# KiCad board FlightComputer.kicad_pcb (continued)
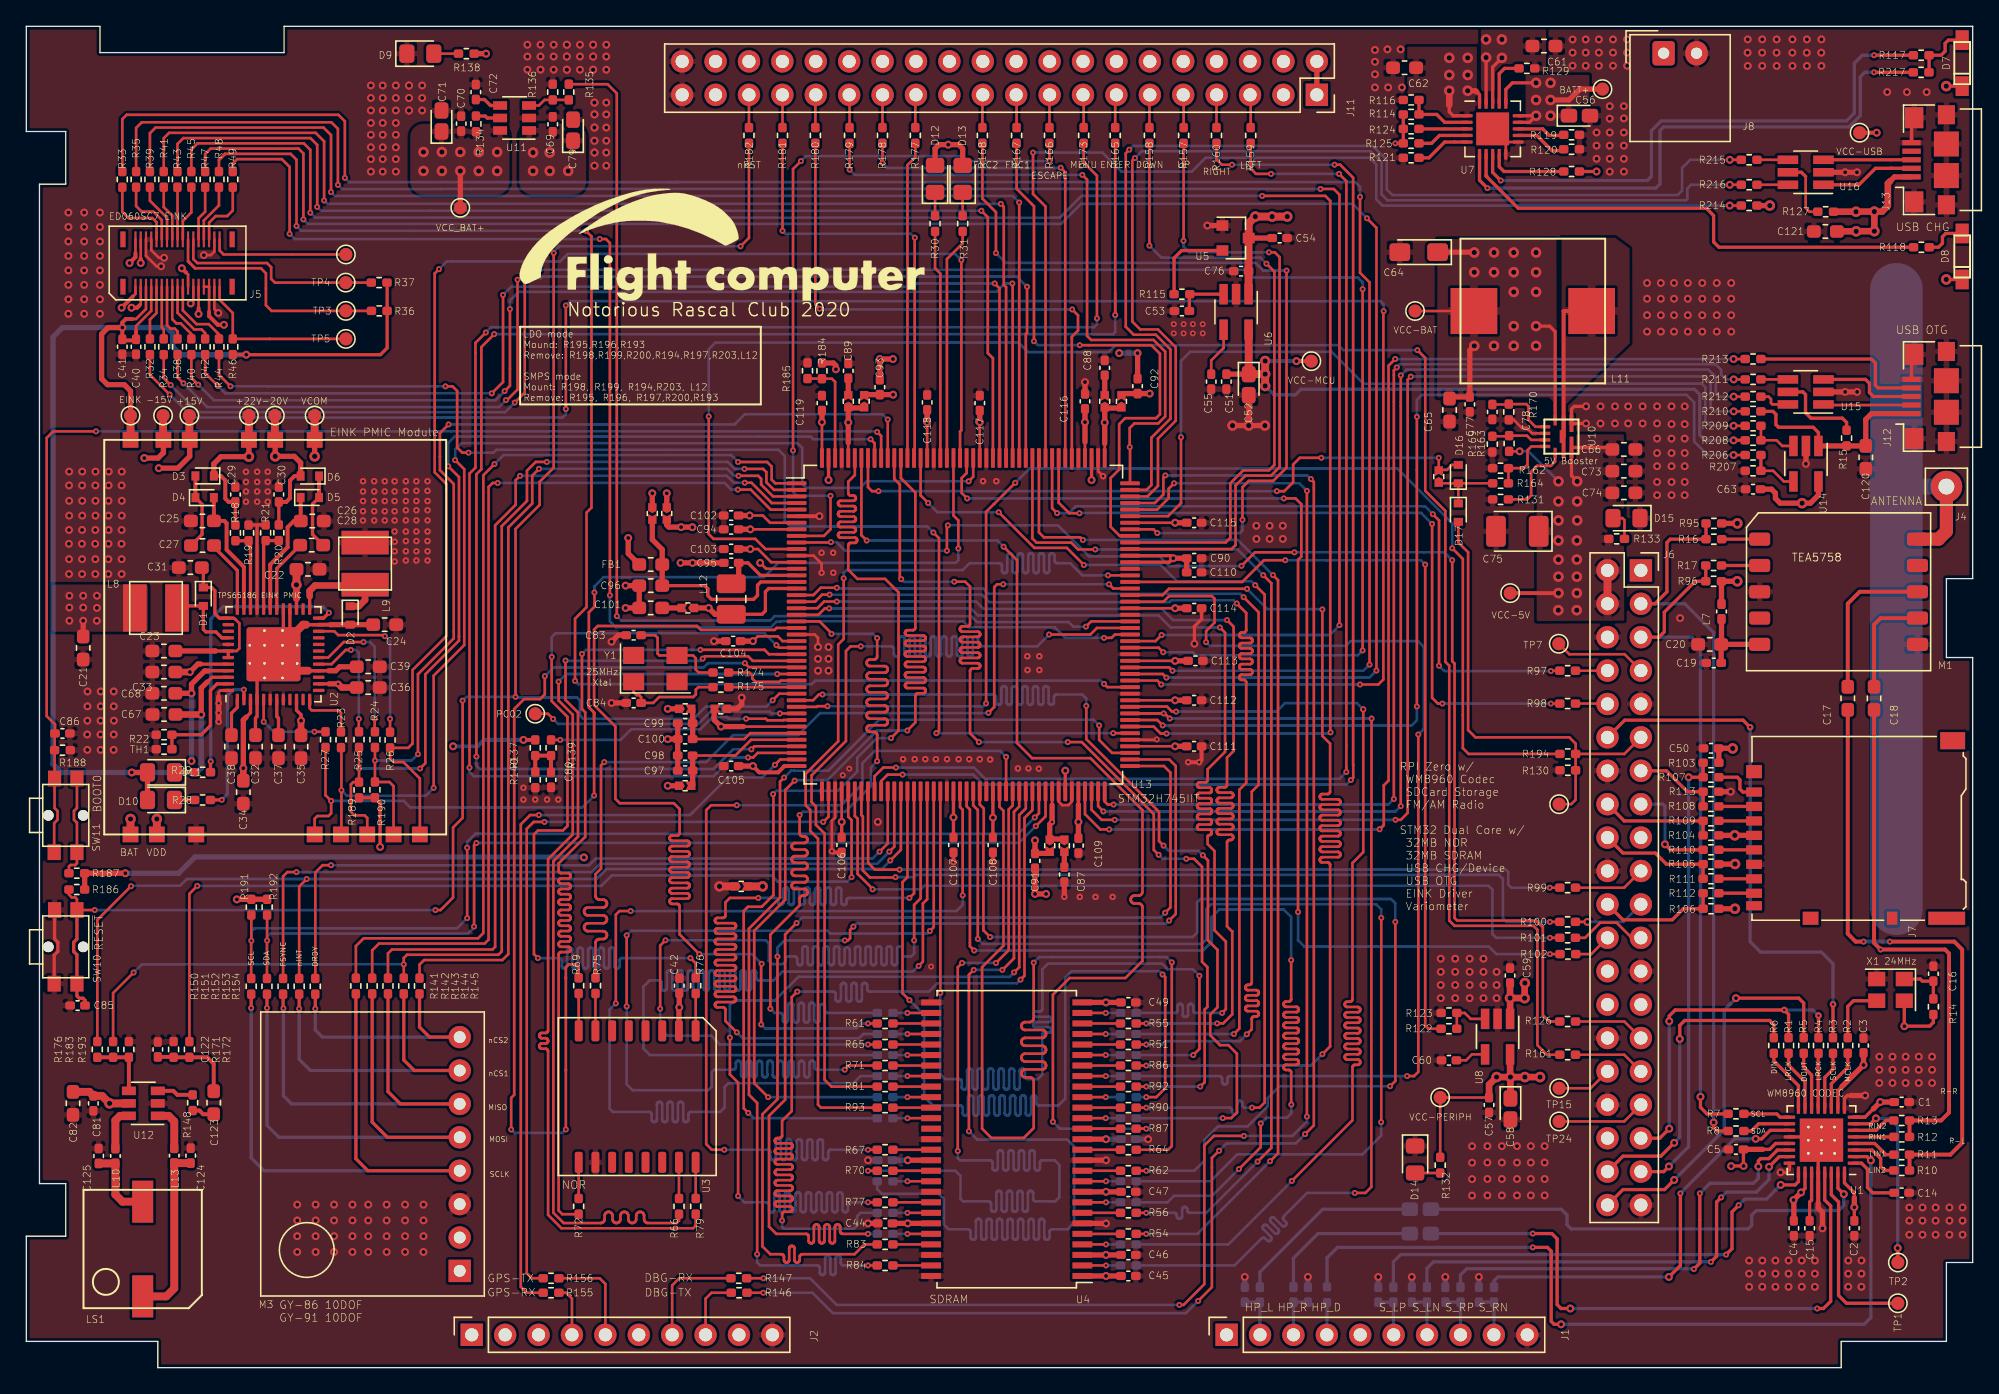
[diagram p0: board, top side]
## Nets (continued)
/MCU/FMC_D3: R56.1 U13.144
/MCU/FMC_D4: R58.1 U13.67
/MCU/FMC_D5: R60.1 U13.68
/MCU/FMC_D6: R62.1 U13.69
/MCU/FMC_D7: R64.1 U13.72
/MCU/FMC_D8: R67.1 U13.73
/MCU/FMC_D9: R70.1 U13.74
/MCU/FMC_D10: R73.1 U13.75
/MCU/FMC_D11: R77.1 U13.76
/MCU/FMC_D12: R80.1 U13.77
/MCU/FMC_D13: R82.1 U13.89
/MCU/FMC_D14: R83.1 U13.90
/MCU/FMC_D15: R84.1 U13.91
/MCU/FMC_nBL0: R87.2 U13.170
/MCU/FMC_nBL1: R88.2 U13.171
/MCU/FMC_nCAS: R90.2 U13.161
/MCU/FMC_nE1: R92.2 U13.165
/MCU/FMC_nRAS: R91.2 U13.58
/MCU/FMC_nWE: R89.2 U13.34
/MCU/MCU_POWER/SMPS_OUT: C91.2 C92.2 C93.2 JP2.1 JP6.1 JP7.1 JP8.1 JP11.2 L12.1 U13.17
/MCU/MCU_POWER/VCAP: JP3.2 JP4.2 JP5.2 JP6.2 JP7.2 JP8.2 U13.80 U13.133 U13.172
/MCU/MCU_POWER/VLXSMPS: C95.1 L12.2 U13.15
/MCU/MCU_POWER/VREF+: C99.1 C100.1 JP10.1 U13.39
/MCU/PWR_5V_EN: D16.1 D17.1 JP14.2 R164.1
/MCU/PWR_BAT+_EN: R135.1 U13.111
/MCU/PWR_LED1: R30.1 U13.158
/MCU/PWR_LED2: R31.1 U13.157
/MCU/PWR_PERIPH_EN: R122.2 U13.117
/MCU/RPI_STATUS: D17.2 J6.11 R130.1 R194.2 TP14.1
/MCU/RPI_STATUS_: R194.1 U13.35
/MCU/USB_FS_DN: R216.1 U13.130
/MCU/USB_FS_DP: R215.1 U13.131
/MCU/USB_FS_VBUS: R214.1 U13.142
/MCU/USB_HS_DN: R212.1 U13.87
/MCU/USB_HS_DP: R211.1 U13.88
/MCU/USB_HS_ID: R213.1 U13.85
/MCU/USB_HS_OVCR: R209.1 U13.127
/MCU/USB_HS_PWR_EN: R206.1 U13.96
/MCU/USB_HS_VBUS: R210.1 U13.86
/Memory/NOR_CLK: R79.1 U13.30
/Memory/NOR_DQ0: R66.2 U13.28
/Memory/NOR_DQ1: R69.2 U13.29
/Memory/NOR_DQ2: R72.2 U13.27
/Memory/NOR_DQ3: R76.2 U13.26
/Memory/NOR_nCS: R75.1 U13.116
/Power/SW: L11.2 U10.2
/Raspberry/SDIO_CLK: J6.15 R110.2
/Raspberry/SDIO_CMD: J6.16 R104.2 R109.2
/Raspberry/SDIO_DAT0: J6.18 R105.2 R111.2
/Raspberry/SDIO_DAT1: J6.22 R106.2 R112.2
/Raspberry/SDIO_DAT2: J6.37 R103.2 R107.2
/Raspberry/SDIO_DAT3: J6.13 R108.2 R113.1
/Vario/DEBUG_RX: R147.2 U13.128
/Vario/DEBUG_TX: R146.2 U13.129
/Vario/GPS_RX: R155.2 U13.43
/Vario/GPS_TX: R156.2 U13.46
/VARIO_RX: R97.1 U13.141
/VARIO_TX: R98.1 U13.140
G_KEY_DOWN: J11.11 R158.1
G_KEY_ENTER: J11.13 R165.1
G_KEY_ESCAPE: J11.17 R166.1
G_KEY_FUNC1: J11.19 R167.1
G_KEY_FUNC2: J11.21 R168.1
G_KEY_LEFT: J11.5 R159.1
G_KEY_MENU: J11.15 R173.1
G_KEY_RIGHT: J11.7 R160.1
G_KEY_UP: J11.9 R157.1
VARIO_BEEP: R172.2 U13.49
Net-(C6-Pad1): C6.1 J1.2 L1.2
Net-(C7-Pad1): C7.1 J1.3 L2.2
Net-(C8-Pad1): C8.1 U1.31
Net-(C8-Pad2): C8.2 L1.1
Net-(C9-Pad1): C9.1 U1.29
Net-(C9-Pad2): C9.2 L2.1
Net-(C10-Pad1): C10.1 J1.6 L3.2
Net-(C11-Pad1): C11.1 J1.7 L4.2
Net-(C12-Pad1): C12.1 J1.8 L5.2
Net-(C13-Pad1): C13.1 J1.9 L6.2
Net-(C14-Pad1): C14.1 U1.1
Net-(C15-Pad2): C15.2 U1.27
Net-(C16-Pad2): C16.2 R14.1 X1.1
Net-(C17-Pad1): C17.1 M1.8
Net-(C18-Pad1): C18.1 M1.7
Net-(C19-Pad1): C19.1 C20.1 L7.2 M1.5
Net-(C23-Pad1): C23.1 C31.1 D1.1 U2.37 U2.42 U2.43
Net-(C25-Pad1): C25.1 D4.2 U2.35
Net-(C26-Pad2): C26.2 D5.1 U2.31
Net-(C27-Pad1): C27.1 U2.36
Net-(C27-Pad2): C27.2 D3.2 D4.1
Net-(C28-Pad1): C28.1 D5.2 D6.1
Net-(C28-Pad2): C28.2 U2.30
Net-(C37-Pad2): C37.2 U2.7
Net-(C38-Pad2): C38.2 U2.1
Net-(C53-Pad1): C53.1 R115.1 U6.3
Net-(C55-Pad1): C55.1 U6.4
Net-(C60-Pad1): C60.1 U8.4
Net-(C72-Pad1): C72.1 U11.4
Net-(C78-Pad1): C78.1 R170.2 U10.4
Net-(C80-Pad1): C80.1 R137.2 R139.2 R140.2
Net-(C83-Pad1): C83.1 R174.1 Y1.3
Net-(C84-Pad1): C84.1 R175.1 Y1.1
Net-(C87-Pad1): C87.1 JP3.1
Net-(C88-Pad1): C88.1 JP4.1
Net-(C89-Pad1): C89.1 JP5.1
Net-(C101-Pad1): C101.1 JP11.1
Net-(C120-Pad1): C120.1 J12.1 R15.1 R210.2 U14.1
Net-(C122-Pad1): C122.1 C123.2 R171.1 R172.1
Net-(C123-Pad1): C123.1 R148.1
Net-(C124-Pad1): C124.1 L13.2 LS1.2
Net-(C125-Pad1): C125.1 L10.2 LS1.1
Net-(D1-Pad2): D1.2 L8.2 U2.40
Net-(D2-Pad1): D2.1 L9.1 U2.25
Net-(D7-Pad1): D7.1 R117.1 R217.1
Net-(D8-Pad1): D8.1 R118.1
Net-(D9-Pad2): D9.2 R138.2
Net-(D10-Pad1): D10.1 R28.2
Net-(D11-Pad1): D11.1 R29.2
Net-(D12-Pad1): D12.1 R30.2
Net-(D13-Pad1): D13.1 R31.2
Net-(D14-Pad2): D14.2 R132.2
Net-(D15-Pad2): D15.2 R133.2
Net-(J2-Pad4): J2.4 R155.1
Net-(J2-Pad5): J2.5 R156.1
Net-(J2-Pad7): J2.7 R147.1
Net-(J2-Pad8): J2.8 R146.1
Net-(J4-Pad1): J4.1 M1.10
Net-(J5-Pad9): J5.9 R32.2
Net-(J5-Pad10): J5.10 R33.1
Net-(J5-Pad11): J5.11 R34.2
Net-(J5-Pad12): J5.12 R35.1
Net-(J5-Pad13): J5.13 R38.2
Net-(J5-Pad14): J5.14 R39.1
Net-(J5-Pad15): J5.15 R40.2
Net-(J5-Pad16): J5.16 R41.1
Net-(J5-Pad17): J5.17 R42.2
Net-(J5-Pad18): J5.18 R43.1
Net-(J5-Pad19): J5.19 R44.2
Net-(J5-Pad20): J5.20 R45.1
Net-(J5-Pad22): J5.22 R36.2 TP3.1
Net-(J5-Pad24): J5.24 R37.2 TP4.1
Net-(J5-Pad26): J5.26 R47.1
Net-(J5-Pad28): J5.28 R48.1
Net-(J5-Pad30): J5.30 R49.1
Net-(J5-Pad33): J5.33 R46.2 TP5.1
Net-(J5-Pad34): J5.34 TP6.1
Net-(J6-Pad7): J6.7 TP7.1
Net-(J6-Pad8): J6.8 R97.2
Net-(J6-Pad10): J6.10 R98.2
Net-(J6-Pad19): J6.19 R99.1
Net-(J6-Pad21): J6.21 R100.1
Net-(J6-Pad23): J6.23 R101.1
Net-(J6-Pad24): J6.24 R102.2
Net-(J6-Pad29): J6.29 R126.1
Net-(J6-Pad31): J6.31 R161.1
Net-(J6-Pad32): J6.32 TP15.1
Net-(J6-Pad33): J6.33 TP24.1
Net-(J7-Pad1): J7.1 R107.1
Net-(J7-Pad2): J7.2 R108.1
Net-(J7-Pad3): J7.3 R109.1
Net-(J7-Pad5): J7.5 R110.1
Net-(J7-Pad7): J7.7 R111.1
Net-(J7-Pad8): J7.8 R112.1
Net-(J11-Pad25): J11.25 R177.2
Net-(J11-Pad27): J11.27 R178.2
Net-(J11-Pad29): J11.29 R179.2
Net-(J11-Pad31): J11.31 R180.2
Net-(J11-Pad33): J11.33 R181.2
Net-(J11-Pad35): J11.35 R182.2
Net-(J12-Pad2): J12.2 U15.1
Net-(J12-Pad3): J12.3 U15.3
Net-(J12-Pad4): J12.4 R213.2
Net-(J13-Pad2): J13.2 U16.1
Net-(J13-Pad3): J13.3 U16.3
Net-(L3-Pad1): L3.1 U1.25
Net-(L4-Pad1): L4.1 U1.23
Net-(L5-Pad1): L5.1 U1.22
Net-(L6-Pad1): L6.1 U1.19
Net-(L10-Pad1): L10.1 U12.6
Net-(L13-Pad1): L13.1 U12.1
Net-(M1-Pad1): M1.1 R16.1
Net-(M1-Pad2): M1.2 R17.1
Net-(M3-Pad4): M3.4 R141.1 R150.1
Net-(M3-Pad5): M3.5 R142.1 R151.1
Net-(M3-Pad6): M3.6 R143.1 R152.1
Net-(M3-Pad7): M3.7 R144.1 R153.1
Net-(M3-Pad8): M3.8 R145.1 R154.1
Net-(R1-Pad1): R1.1 U1.15
Net-(R2-Pad1): R2.1 U1.11
Net-(R3-Pad1): R3.1 U1.12
Net-(R4-Pad1): R4.1 U1.13
Net-(R5-Pad1): R5.1 U1.14
Net-(R6-Pad1): R6.1 U1.16
Net-(R7-Pad1): R7.1 U1.17
Net-(R8-Pad1): R8.1 U1.18
Net-(R9-Pad1): R9.1 U1.2
Net-(R10-Pad1): R10.1 U1.3
Net-(R11-Pad1): R11.1 U1.4
Net-(R12-Pad1): R12.1 U1.5
Net-(R13-Pad1): R13.1 U1.6
Net-(R15-Pad2): R15.2 U15.5
Net-(R18-Pad2): R18.2 R19.2 U2.34
Net-(R20-Pad1): R20.1 R21.1 U2.32
Net-(R22-Pad2): R22.2 TH1.1 U2.47
Net-(R23-Pad2): R23.2 U2.12
Net-(R24-Pad2): R24.2 U2.18
Net-(R25-Pad2): R25.2 U2.17
Net-(R26-Pad2): R26.2 U2.22
Net-(R27-Pad2): R27.2 U2.5
Net-(R28-Pad1): R28.1 U2.2
Net-(R29-Pad1): R29.1 U2.24
Net-(R50-Pad2): R50.2 U4.2
Net-(R51-Pad1): R51.1 U4.23
Net-(R52-Pad2): R52.2 U4.4
Net-(R53-Pad1): R53.1 U4.24
Net-(R54-Pad2): R54.2 U4.5
Net-(R55-Pad1): R55.1 U4.25
Net-(R56-Pad2): R56.2 U4.7
Net-(R57-Pad1): R57.1 U4.26
Net-(R58-Pad2): R58.2 U4.8
Net-(R59-Pad1): R59.1 U4.29
Net-(R60-Pad2): R60.2 U4.10
Net-(R61-Pad1): R61.1 U4.30
Net-(R62-Pad2): R62.2 U4.11
Net-(R63-Pad1): R63.1 U4.31
Net-(R64-Pad2): R64.2 U4.13
Net-(R65-Pad1): R65.1 U4.32
Net-(R66-Pad1): R66.1 U3.15
Net-(R67-Pad2): R67.2 U4.42
Net-(R68-Pad1): R68.1 U4.33
Net-(R69-Pad1): R69.1 U3.8
Net-(R70-Pad2): R70.2 U4.44
Net-(R71-Pad1): R71.1 U4.34
Net-(R72-Pad1): R72.1 U3.9
Net-(R73-Pad2): R73.2 U4.45
Net-(R74-Pad1): R74.1 U4.22
Net-(R75-Pad2): R75.2 U3.7
Net-(R76-Pad1): R76.1 U3.1
Net-(R77-Pad2): R77.2 U4.47
Net-(R78-Pad1): R78.1 U4.35
Net-(R79-Pad2): R79.2 U3.16
Net-(R80-Pad2): R80.2 U4.48
Net-(R81-Pad1): R81.1 U4.36
Net-(R82-Pad2): R82.2 U4.50
Net-(R83-Pad2): R83.2 U4.51
Net-(R84-Pad2): R84.2 U4.53
Net-(R85-Pad1): R85.1 U4.20
Net-(R86-Pad1): R86.1 U4.21
Net-(R87-Pad1): R87.1 U4.15
Net-(R88-Pad1): R88.1 U4.39
Net-(R89-Pad1): R89.1 U4.16
Net-(R90-Pad1): R90.1 U4.17
Net-(R91-Pad1): R91.1 U4.18
Net-(R92-Pad1): R92.1 U4.19
Net-(R93-Pad1): R93.1 U4.38
Net-(R94-Pad1): R94.1 U4.37
Net-(R114-Pad2): R114.2 R116.1 U7.2
Net-(R115-Pad2): R115.2 U5.2
Net-(R117-Pad2): R117.2 U7.8
Net-(R118-Pad2): R118.2 U7.7
Net-(R119-Pad2): R119.2 U7.13
Net-(R120-Pad2): R120.2 U7.12
Net-(R121-Pad2): R121.2 U7.5
Net-(R122-Pad1): R122.1 R123.2 U8.3
Net-(R124-Pad1): R124.1 U7.3
Net-(R125-Pad1): R125.1 U7.4
Net-(R127-Pad2): R127.2 U16.5
Net-(R128-Pad1): R128.1 U7.9
Net-(R129-Pad1): R129.1 U7.17
Net-(R131-Pad2): R131.2 U10.8
Net-(R134-Pad1): R134.1 U11.5
Net-(R135-Pad2): R135.2 R136.2 U11.3
Net-(R148-Pad2): R148.2 U12.3
Net-(R162-Pad1): R162.1 R164.2 U10.7
Net-(R163-Pad2): R163.2 R169.2 U10.6
Net-(R174-Pad2): R174.2 U13.31
Net-(R175-Pad2): R175.2 U13.32
Net-(R176-Pad1): R176.1 R183.1 R193.1 U12.4
Net-(R184-Pad2): R184.2 R185.2 U13.174
Net-(R187-Pad1): R187.1 SW11.1
Net-(R206-Pad2): R206.2 R207.1 U14.4
Net-(R208-Pad1): R208.1 R209.2 U14.3
Net-(R211-Pad2): R211.2 U15.4
Net-(R212-Pad2): R212.2 U15.6
Net-(R215-Pad2): R215.2 U16.4
Net-(R216-Pad2): R216.2 U16.6
Net-(R217-Pad2): R217.2 U7.6
Net-(TP1-Pad1): TP1.1 U1.30
Net-(TP2-Pad1): TP2.1 U1.7
Net-(TP13-Pad1): TP13.1 U13.36

Pads without a net: J1 5; J2 3 6 9; J5 35 36 37 38; J6 17 26 27 28 36; J7 9 10 11; J11 3 4 6 8 10 12 14 16 18 20 22 23 24 26 28 30 32 34 36 37 38; J13 4; M1 4 9; M3 2; SW10 6 7; SW11 6 7; U2 9 11 13 15 19 20 21 26 38 39; U3 3 4 5 6 11 12 13 14; U4 40; Y1 2 4

## Via types
v1: diameter 0.45, hole 0.2, Top to Bottom, 461 vias
v2: diameter 0.6, hole 0.3, Top to Bottom, 588 vias
v3: diameter 0.5, hole 0.2, Top to Bottom, 107 vias
v4: diameter 0.8, hole 0.4, Top to Bottom, 102 vias

## Routing (per net, layer and track width the routed paths; a pad name or vN(x,y) marks a point on that pad's centre or on a via; arc(x,y) is an arc through that point)
+15V: length 15.2
  Top w0.2: J5.2 8.3,84.78 ; 8.7,84.2 J5.4
  Top w0.25: v2(12.44,52.9) 13.04,53.5 U2.44
  Top w0.3: 8.3,84.78 8.3,84.45 v2(7.85,84) ; 8.7,84.2 8.7,84.31 v2(8.7,84)
  Top w0.4: 13.26,53.51 13.05,53.51 v2(12.44,52.9) ; U9.11 12.43,69.3 11.53,68.4 v2(10.07,68.4) ; 12.43,72.38 TP10.1
  Top w0.5: C33.1 v2(12.44,52.9)
  Top w0.6: U9.11 12.4,70.58 TP10.1
+22V: length 14
  Top w0.2: 13.1,80.58 J5.25
  Top w0.25: R18.1 C29.2
  Top w0.3: v2(13.1,80.12) 13.1,80.58 ; D3.1 14.8,67.81 15.13,67.48 15.13,66.09 15.39,65.83 C29.2
  Top w0.4: U9.12 v4(16.93,69.28) 14.8,69.28 14.26,68.73 D3.1
  Top w0.6: TP8.1 U9.12
-15V: length 15.1
  Top w0.2: J5.1 8.3,81.65 8.11,81.46 ; J5.3 8.7,80.88 8.62,80.8
  Top w0.25: 16.71,49.46 17.05,49.8 U2.3
  Top w0.3: v2(7.25,80.6) 8.11,81.46 ; v2(8,80.6) 8.42,80.6 8.62,80.8
  Top w0.4: 16.71,49.46 16.5,49.25 v2(16.5,45.59) ; v2(8.97,69.17) 10.02,69.17 10.43,69.58 U9.10 ; 10.43,72.38 TP11.1
  Top w0.5: C34.2 v2(16.5,45.59)
  Top w0.6: TP11.1 10.4,70.58 U9.10
-20V: length 15.3
  Top w0.2: 13.9,80.28 J5.29 J5.27
  Top w0.25: R20.2 C30.1
  Top w0.3: C30.1 19.76,65.83 20.05,66.12 20.05,67.46 20.39,67.8 D6.2 ; 13.9,80.28 13.9,79.96 14.56,79.3 v2(15.03,79.3)
  Top w0.4: D6.2 20.86,68.81 20.38,69.3 v4(18.93,69.3) U9.13
  Top w0.6: U9.13 18.9,70.58 TP9.1
/MCU/MCU_POWER/VDDA: length 10.8
  Top w0.2: C98.1 53.92,46.55 55.12,47.75 U13.40
  Top w0.4: 50.7,45.37 C97.1 ; C97.1 C98.1 ; C97.1 50.67,44.31 JP9.1
/MCU/MCU_POWER/VDDLDO: length 7
  Top w0.25: U13.135 v2(81,67.5) ; U13.175 v2(61,67.5) ; U13.82 v2(79,45.4)
  Top w0.4: v2(47.6,66.49) JP1.2 ; JP2.2 v2(48.7,66.49)
/MCU/MCU_POWER/VDDSMPS: length 17.2
  Top w0.25: C96.1 51.57,59.47 51.58,59.48 51.83,59.23 51.83,58.7 52.1,58.42 55.3,58.42 55.6,58.73 55.6,59.5 55.85,59.75 U13.16
  Top w0.4: JP1.1 47.6,62.97 48.35,62.22 FB1.2 C96.1
/MCU/MCU_POWER/VSSA: length 11.7
  Top w0.2: U13.38 54.52,48.75
  Top w0.4: JP12.1 52.3,49.27 v2(52.82,48.75) 54.52,48.75 ; C99.2 C100.2 ; C100.2 C98.2 C97.2 ; C100.2 v2(48.77,47.8)
GND: length 111.9
  Top w0.2: J5.32 14.3,84.88 14.03,84.6 v2(13.5,84.6) ; U7.11 112.5,93.2 ; 112.5,93.2 U7.21 ; 112.5,93.2 U7.10 ; U13.47 61.5,41.83 61.25,41.58 v3(61.25,39.27) ; v3(81.88,67.79) 81.5,68.17 U13.134 ; J5.6 9.1,84.55 9.9,83.75 v2(10.25,83.75) ; v2(14.6,80.2) 14.3,80.5 J5.31 ; v1(85.96,47.77) 85.94,47.75 U13.93 ; v2(60.2,54.8) 60.2,55.5 59.95,55.75 U13.24 ; v3(60.47,60.45) 60.47,61.14 59.86,61.75 U13.12 ; U2.48 14.77,51.5 14.62,51.35 14.62,51.02 ; J5.8 9.5,84.98 10.08,84.4 v2(10.47,84.4) ; U10.5 114.5,71.05 114.09,71.46 113.72,71.46 113.1,72.08 R170.1 ; 112.67,72.11 112.7,72.08 ; U13.81 78.5,43.04 78.77,42.77 79.23,42.77 79.5,43.04 U13.83
  Top w0.25: R21.2 17.59,64.09 ; 17.59,64.09 16.91,64.09 R19.1 ; 17.59,64.09 17.55,64.04 U2.33 ; SW10.2 2.12,31.37 2.4,31.65 2.4,32.35 2.15,32.6 SW10.2 ; U1.28 136.25,17.05 U1.33 136.25,17.55 U1.20 ; 138.72,20.7 138.47,20.7 138.25,20.48 U1.9 ; 136.25,12.55 136.25,12.15 ; C114.2 89.37,56.92 88.82,56.37 v2(88.82,55.05) ; J13.5 143.35,94.85 J13.6 ; U1.24 134.06,15.06 133.85,14.85 v2(133.39,14.85) ; J12.5 143.35,76.85 J12.6 ; U15.2 138,74.2 ; v2(118.6,73.1) 117.7,73.1 117.5,72.89 117.5,71.8 v2(118.6,71.8) ; C108.2 v3(73.5,38.44) ; C107.2 v3(70.5,38.44)
  Top w0.3: U13.6 v2(60.31,64.75) ; 61.26,39.27 v3(61.25,39.27) 61.34,39.18 C106.2 ; U1.28 136.25,12.55 ; C111.2 89.37,46.23 v3(89.18,46.04) v3(88.35,46.04)
  Top w0.4: C52.2 v4(92.95,71.64) ; v4(92.95,71.64) v4(94.18,71.64) ; v4(92.95,71.64) v4(91.72,71.64) ; C104.2 v2(52.29,55.25) ; v2(139.82,20.7) 138.72,20.7 ; v2(54.4,50.95) 54.4,50.45 54.05,50.1 JP12.2 ; v3(14.62,49.12) v3(14.62,49.8) v3(14.62,50.52) 14.62,51.02 ; U15.2 v2(138.3,74.2) v2(139.21,74.2) ; C84.2 v2(44.5,50.55) ; C44.1 v2(64,10.97) ; v2(139.2,90.9) v2(138.3,90.9) U16.2 ; 136.25,12.51 136.25,12.15 136.57,11.82 v2(136.57,10.6) ; C83.2 45,55.7 v2(44.5,55.2) ; v3(78.93,35.81) C87.2 ; U14.2 v2(135.32,68.73) ; v2(82.1,10.97) 82.09,10.97 U4.6 ; U5.1 v2(89.8,86.85) ; R113.2 v2(129.6,43.8) ; U4.12 v2(82.1,15.78) ; C116.2 v2(80.5,74.95)
  Top w0.5: 94.13,71.75 94.18,71.7 ; 91.77,71.75 91.72,71.7
  Top w0.6: JP13.2 v4(52.71,36.6)
  Bottom w0.2: v4(94.18,71.64) 94.18,71.84
  Bottom w0.4: C7.2 v2(97.45,6.9) ; C13.2 v2(110.45,6.9) ; C43.1 v2(64,15.78) ; C11.2 v2(105.35,6.9) ; C48.1 v2(85.3,17.38) ; C6.2 v2(92.65,6.9) ; C10.2 v2(102.8,6.9) ; C12.2 v2(107.9,6.9)
  vias: v1(62.08,45.05) v1(62.58,45.55) v1(68.8,30.5) v1(87.25,79.35) v1(87.25,78.65) v1(88,79.35) v1(88,78.65) v1(88.7,79.35) v1(88.7,78.65) v1(89.45,79.35) v1(89.45,78.65) v2(3.2,87.84) v2(3.2,86.74) v2(3.2,85.64) v2(3.2,84.54) v2(3.2,83.44) v2(3.2,82.34) v2(3.2,81.24) v2(3.2,80.14) v2(3.25,67.09) v2(3.25,63.7) v2(3.24,62.65) v2(3.25,61.48) v2(3.25,60.35) v2(3.26,68.14) v2(3.26,65.92) v2(3.26,64.79) v2(4.25,68.14) v2(4.24,67.09) v2(4.25,65.92) v2(4.25,64.79) v2(4.24,63.7) v2(4.23,62.65) v2(4.24,61.48) v2(4.24,60.35) v2(4.4,87.84) v2(4.4,86.74) v2(4.4,85.64) v2(4.4,84.54) v2(4.4,83.44) v2(4.4,82.34) v2(4.4,81.24) v2(4.4,80.14) v2(4.64,49.2) v2(4.63,48.15) v2(4.64,46.98) v2(4.65,51.42) v2(4.65,50.29) v2(5.25,67.09) v2(5.25,63.7) v2(5.24,62.65) v2(5.25,61.48) v2(5.25,60.35) v2(5.26,68.14) v2(5.26,65.92) v2(5.26,64.79) v2(5.6,87.84) v2(5.6,86.74) v2(5.6,85.64) v2(5.6,84.54) v2(5.6,83.44) v2(5.6,82.34) v2(5.6,81.24) v2(5.6,80.14) v2(5.64,48.15) v2(5.66,51.42) v2(5.66,50.29) v2(5.65,49.2) v2(5.65,46.98) v2(6.25,65.92) v2(6.25,64.79) v2(6.25,62.65) v2(6.24,61.48) v2(6.24,60.35) v2(6.27,68.14) v2(6.26,67.09) v2(6.26,63.7) v2(6.64,46.98) v2(6.65,51.42) v2(6.65,50.29) v2(6.66,49.2) v2(6.65,48.15) v2(7.25,67.09) v2(7.25,63.7) v2(7.24,62.65) v2(7.25,61.48) v2(7.25,60.35) v2(7.26,68.14) v2(7.26,65.92) v2(7.26,64.79) v2(20.6,12.4) v2(20.6,11.2) v2(20.6,10) v2(20.6,8.8) v2(22,12.4) v2(22,11.2) v2(22,10) v2(22,8.8) v2(23.4,12.4) v2(23.4,11.2) v2(23.4,10) v2(23.4,8.8) v2(24.8,12.4) v2(24.8,11.2) v2(24.8,10) v2(24.8,8.8) v2(26,12.4) v2(26,11.2) v2(26,10) v2(26,8.8) v2(26.2,97.5) v2(26.2,96.55) v2(26.2,95.6) v2(26.2,94.65) v2(26.2,93.75) v2(26.2,92.8) v2(26.2,91.9) v2(26.2,90.95) v2(27.1,97.5) v2(27.1,96.55) v2(27.1,95.6) v2(27.1,94.65) v2(27.1,93.75) v2(27.1,92.8) v2(27.1,91.9) v2(27.1,90.95) v2(27.4,12.4) v2(27.4,11.2) v2(27.4,10) v2(27.4,8.8) v2(28.1,97.5) v2(28.1,96.55) v2(28.1,95.6) v2(28.1,94.65) v2(28.1,93.75) v2(28.1,92.8) v2(28.1,91.9) v2(28.1,90.95) v2(28.8,12.4) v2(28.8,11.2) v2(28.8,10) v2(28.8,8.8) v2(29.1,97.5) v2(29.1,97.5) v2(29.1,96.55) v2(29.1,96.55) v2(29.1,95.6) v2(29.1,95.6) v2(30.1,97.5) v2(30.1,96.55) v2(30.1,95.6) v2(30.2,12.4) v2(30.2,11.2) v2(30.2,10) v2(30.2,8.8) v2(38.1,100.6) v2(38.1,99.7) v2(38.1,98.7) v2(39.1,100.6) v2(39.1,99.7) v2(39.1,98.7) v2(40.1,100.6) v2(40.1,99.7) v2(40.1,98.7) v2(41.1,100.6) v2(41.1,100.6) v2(41.1,99.7) v2(41.1,99.7) v2(41.1,98.7) v2(41.1,98.7) v2(42.1,100.6) v2(42.1,99.7) v2(42.1,98.7) v2(43.1,100.6) v2(43.1,100.6) v2(43.1,99.7) v2(43.1,99.7) v2(43.1,98.7) v2(43.1,98.7) v2(43.2,96.2) v2(43.2,96.2) v2(43.2,95.3) v2(43.2,95.3) v2(43.2,94.3) v2(43.2,94.3) v2(43.2,93.3) v2(43.2,93.3) v2(43.2,92.4) v2(43.2,92.4) v2(43.2,91.4) v2(43.2,91.4) v2(44.1,100.6) v2(44.1,99.7) v2(44.1,98.7) v2(44.1,96.2) v2(44.1,95.3) v2(44.1,94.3) v2(44.1,93.3) v2(44.1,92.4) v2(44.1,91.4) v2(60.2,53.9) v2(60.2,53) v2(61,54.8) v2(61,53.9) v2(61,53) v2(64.75,41.5) v2(93.53,64.02) v2(93.54,63.02) v2(94.54,64.02) v2(94.54,63.02) v2(95.54,64.02) v2(95.54,63.02) v2(102.55,100.2) v2(102.55,99.3) v2(102.55,98.35) v2(102.55,97.35) v2(103.5,100.25) v2(103.55,97.35) v2(104.5,100.25) v2(104.6,97.35) v2(107.55,31.1) v2(107.55,30.1) v2(107.55,29.1) v2(107.55,28.1) v2(108.65,31.1) v2(108.65,30.1) v2(108.65,29.1) v2(108.65,28.1) v2(109.75,31.1) v2(109.75,30.1) v2(109.75,29.1) v2(109.75,28.1) v2(109.93,16.84) v2(109.93,15.59) v2(109.93,14.34) v2(109.93,13.09) v2(110.8,31.1) v2(110.8,30.1) v2(110.8,29.1) v2(110.8,28.1) v2(111.1,16.85) v2(111.1,15.6) v2(111.1,14.35) v2(111.1,13.1) v2(111.8,30.1) v2(111.8,29.1) v2(111.8,28.1) v2(112.2,16.85) v2(112.2,15.6) v2(112.2,14.35) v2(112.2,13.1) v2(113.35,16.85) v2(113.35,15.6) v2(113.35,14.35) v2(113.35,13.1) v2(114.4,16.85) v2(114.4,15.6) v2(114.4,14.35) v2(114.4,13.1) v2(115.45,16.85) v2(115.45,15.6) v2(115.45,14.35) v2(115.45,13.1) v2(117.58,101) v2(117.58,100) v2(117.58,99) v2(118.58,101) v2(118.58,100) v2(118.58,99) v2(119.4,93.92) v2(119.4,92.92) v2(119.4,91.92) v2(119.58,101) v2(119.58,100) v2(119.58,99) v2(119.7,73.1) v2(119.7,71.8) v2(120.4,95.92) v2(120.4,94.97) v2(120.4,93.92) v2(120.4,92.92) v2(120.4,91.92) v2(120.4,90.95) v2(120.65,101) v2(120.65,100) v2(120.65,99) v2(120.8,73.1) v2(120.8,71.8) v2(121.47,95.92) v2(121.47,95) v2(121.47,93.92) v2(121.47,92.92) v2(121.47,91.92) v2(121.47,90.95) v2(121.72,101) v2(121.72,100) v2(121.72,99) v2(121.8,73.1) v2(121.8,71.8) v2(122.9,73.1) v2(122.9,71.8) v2(123.24,82.48) v2(123.24,81.28) v2(123.24,80.03) v2(123.24,78.78) v2(124,73.1) v2(124,71.8) v2(124,70.65) v2(124,69.55) v2(124,68.55) v2(124,67.35) v2(124,66.35) v2(124.29,82.48) v2(124.29,81.28) v2(124.29,80.03) v2(124.29,78.78) v2(125.1,73.1) v2(125.1,71.75) v2(125.1,70.65) v2(125.1,69.55) v2(125.1,68.55) v2(125.1,67.35) v2(125.1,66.35) v2(125.29,82.48) v2(125.29,81.28) v2(125.29,80.03) v2(125.29,78.78) v2(125.75,57) v2(126.1,73.1) v2(126.1,71.75) v2(126.1,70.65) v2(126.1,69.55) v2(126.1,68.55) v2(126.1,67.35) v2(126.1,66.35) v2(126.34,82.48) v2(126.34,81.28) v2(126.34,80.03) v2(126.34,78.78) v2(127.44,82.48) v2(127.44,81.28) v2(127.44,80.03) v2(127.44,78.78) v2(128.54,82.48) v2(128.54,81.28) v2(128.54,80.03) v2(128.54,78.78) v2(129.64,82.48) v2(129.64,81.28) v2(129.64,80.03) v2(129.64,78.78) v2(130.9,101) v2(130.88,100) v2(130.9,98.98) v2(131,8.15) v2(131,7.15) v2(131,6.15) v2(132,101) v2(131.99,100) v2(132,98.98) v2(132,8.15) v2(132,7.15) v2(132,6.15) v2(133,8.15) v2(133,7.15) v2(133,6.15) v2(133.09,101) v2(133.09,100) v2(133.09,98.98) v2(134,8.15) v2(134,7.15) v2(134,6.15) v2(134.29,101) v2(134.28,100) v2(134.29,98.98) v2(135,8.15) v2(135,7.15) v2(135,6.15) v2(135.4,101) v2(135.38,100) v2(135.4,98.98) v2(136,8.15) v2(136,7.15) v2(136,6.15) v2(136.5,101) v2(136.49,100) v2(136.5,98.98) v2(138.54,8.15) v2(138.54,7.15) v2(138.54,6.15) v2(139.54,8.15) v2(139.54,7.15) v2(139.54,6.15) v2(140.9,23.65) v2(140.9,22.65) v2(140.9,21.65) v2(141.5,97) v2(141.9,23.65) v2(141.9,22.65) v2(141.9,21.65) v2(142.9,23.65) v2(142.9,22.65) v2(142.9,21.65) v2(143,97) v2(143.18,12.18) v2(143.18,11.18) v2(143.18,10.11) v2(143.9,23.65) v2(143.9,22.65) v2(143.9,21.65) v2(144.18,12.18) v2(144.18,11.18) v2(144.18,10.11) v2(144.5,97) v2(144.91,23.65) v2(144.91,22.65) v2(144.91,21.65) v2(145.18,12.18) v2(145.18,11.18) v2(145.18,10.11) v2(146.23,12.18) v2(146.23,11.18) v2(146.23,10.11) v2(147.23,12.18) v2(147.23,11.18) v2(147.23,10.11) v3(16.7,68.13) v3(16.7,67.35) v3(16.7,66.62) v3(16.7,65.85) v3(17.55,68.13) v3(17.55,67.35) v3(17.55,66.62) v3(17.55,65.85) v3(18.36,68.13) v3(18.36,67.35) v3(18.36,66.62) v3(18.36,65.85) v3(25.61,67.41) v3(25.61,66.63) v3(25.61,65.9) v3(25.61,65.12) v3(25.6,64.42) v3(26.45,67.41) v3(26.45,66.63) v3(26.45,65.9) v3(26.45,65.12) v3(26.45,64.42) v3(27.25,67.41) v3(27.25,66.63) v3(27.25,65.9) v3(27.25,65.12) v3(27.25,64.42) v3(28,67.41) v3(28,66.63) v3(28,65.9) v3(28,65.12) v3(28,64.42) v3(28,63.59) v3(28,62.81) v3(28,62.08) v3(28,61.3) v3(28.86,67.41) v3(28.86,66.67) v3(28.86,65.9) v3(28.86,65.2) v3(28.86,64.43) v3(28.86,63.59) v3(28.86,62.85) v3(28.86,62.08) v3(28.86,61.38) v3(29.66,67.41) v3(29.66,66.67) v3(29.66,65.9) v3(29.66,65.2) v3(29.66,64.43) v3(29.66,63.59) v3(29.66,62.85) v3(29.66,62.08) v3(29.66,61.38) v3(30.51,67.41) v3(30.51,66.67) v3(30.51,65.9) v3(30.51,65.2) v3(30.51,64.43) v3(30.51,63.59) v3(30.51,62.85) v3(30.51,62.08) v3(30.51,61.38) v3(37.8,44.1) v3(37.8,43.2) v3(38.7,43.2) v3(39.6,43.2) v3(40.45,43.2) v3(60.47,61.97) v3(61.35,61.97) v3(61.36,60.45) v3(66.67,46.27) v3(67.55,46.27) v3(68.36,46.27) v3(69.16,46.27) v3(70.01,46.27) v3(70.89,46.27) v3(71.7,46.27) v3(72.5,46.27) v3(72.75,67.41) v3(73.29,46.25) v3(73.76,67.41) v3(75.4,45.57) v3(76.12,54.1) v3(76.13,53.05) v3(76.2,45.57) v3(77.03,54.1) v3(77.03,53.05) v3(76.99,45.55) v3(80.1,35.8) v3(81.3,35.8) v3(82.6,35.8)
GNDS: length 19.8
  Top w0.2: v2(55.8,61.2) 56.25,60.75 U13.14
  Top w0.4: v2(45.57,57.77) 45.58,57.77 C101.2 C96.2 v2(45.57,59.47) ; v2(49.75,61.2) v2(50.66,61.2) C95.2 ; C91.1 v2(76.7,36.03) v2(77.54,36.03) ; C93.1 v2(64.9,76.7) v2(65.9,76.7) ; C92.1 v2(84.5,77.15)
  Top w0.6: JP13.1 v4(55.99,36.6)
  Bottom w0.4: v2(83.1,77.15) v2(84.5,77.15)
VCC_3V3: length 29.8
  Top w0.25: U1.10 137.75,21.07 138.05,21.37 ; U1.32 138.25,14.05 139,13.3 139,12.92 ; X1.4 v2(142.8,25.97) 144.72,25.97 145.01,26.26 R14.2 ; 139.8,19.05 U1.8 139.81,19.05 140.45,19.7 ; v2(139,12.2) C2.1
  Top w0.4: v2(139,12.2) 139,12.92 ; L7.1 128.9,58.08 R96.1 v4(130.1,59.8) ; v4(129.75,47.09) 129.74,47.1 C50.2 128.7,47.07 R103.1 ; R95.1 v4(130.1,64.2) ; R105.1 129.92,38.29 v4(129.93,38.3) ; 140.45,19.7 140.47,19.7 v2(140.97,20.2) C1.1 ; R106.1 v4(129.92,34.9) ; J7.4 131.37,40.48 v4(129.91,40.48) R104.1 ; 128.88,58 128.9,57.98 ; C3.1 v2(139.7,23.02) 138.05,21.37
  Top w0.6: 131.35,40.5 J7.4
VCC_5V: length 33
  Top w0.2: R163.1 113.54,69.68 v2(113.55,69.68)
  Top w0.25: 132.03,16.6 132.56,16.6 133.01,17.05 U1.21 ; v4(117.92,67.4) 117.5,67.83 117.5,69.97 120.45,69.97 C66.1 ; 135.09,13.46 135.25,13.62 U1.26 ; C5.1 130.57,15.35 v2(130.58,15.34) 129.64,15.34 v2(129.63,15.33) ; 134.4,11.17 C4.1
  Top w0.3: TP21.1 v4(116.5,58.9)
  Top w0.4: C63.1 132.7,66.8 133,66.5 133,66.1 133.36,65.74 v4(135.03,65.74) 135.66,65.74 136.27,66.35 U14.5 ; C5.1 132.03,16.6 ; v2(134.95,13.33) v2(134.38,12.75) 134.4,12.72 C4.1
  Top w0.6: J6.2 J6.4
  Bottom w0.2: v4(116.5,67.4) 114.22,69.68 v2(113.55,69.68)
  vias: v4(116.5,65.88) v4(116.5,64.42) v4(116.5,62.9) v4(116.5,61.45) v4(116.5,60.15) v4(116.49,57.6) v4(117.92,65.88) v4(117.92,64.42) v4(117.9,62.9) v4(117.9,61.45) v4(117.9,60.15) v4(117.9,58.9) v4(117.89,57.6)
VCC_BAT: length 41.6
  Top w0.2: 115.83,79.2 115.84,79.19 ; TP19.1 L11.1
  Top w0.25: U7.1 108.5,95.2 108.2,95.5 108.2,96.03 ; 110.3,97 110.5,96.8 U7.20 ; U10.3 116.25,78.78 115.84,79.19 ; v4(114.8,79.2) 115.83,79.2
  Top w0.3: 110.09,77.69 v4(110.1,77.7) ; 108.35,73.83 C65.1
  Top w0.4: C65.1 108.34,73.82 C77.1 109.76,77.36 v4(110.1,77.7) ; U5.3 C54.1 ; v4(109.6,97.1) 110.2,97.1 110.3,97 ; v4(110.1,84.8) 110.08,84.83 C64.1
  Top w0.5: v4(113.93,28.1) 113.93,29.23 v4(113.95,29.25) ; v4(108.2,97.1) 108.2,96.03 ; 113.92,28.11 v4(112.82,28.11) C59.1 ; U8.1 112.83,28.11
  Top w0.6: v4(95.88,87.53) v4(94.73,87.53) v4(93.45,87.53) 92.95,87.03 U5.3 92.94,85.89 C76.1 92.94,83.38 U6.1 ; 38.26,94.05 U11.1
  vias: v4(38.53,92.4) v4(38.53,91) v4(39.8,92.4) v4(39.8,91) v4(41.2,91) v4(108.2,99.6) v4(108.2,98.3) v4(109.6,99.6) v4(109.6,98.3) v4(110.1,83.3) v4(111.6,84.8) v4(111.6,83.3) v4(111.6,77.7) v4(113.1,84.8) v4(113.1,83.3) v4(113.1,81.8) v4(113.1,79.2) v4(113.1,77.7) v4(114.8,84.8) v4(114.8,83.3) v4(114.8,81.8) v4(114.8,77.7)
VCC_BAT+: length 23
  Top w0.25: U2.10 20.55,49.99 20.89,49.65 v2(20.89,49.2) ; U2.27 20.55,58.48
  Top w0.3: v2(37.8,47.74) 37.8,47.74 R137.1
  Top w0.4: C21.1 v2(4.33,56.8) ; TP22.1 v4(33,91) ; R138.1 v2(34.96,99.92)
  Top w0.5: C35.1 v2(20.89,49.2) ; v4(20.54,59.53) 20.54,58.48 20.55,58.48
  Top w0.6: v4(7.92,41.73) 7.92,40.55 ; U12.5 v4(6.33,20.1) 5.76,20.67 C81.1 4.79,20.97 C82.1 ; C22.2 20.55,59.53 v4(20.54,59.53)
  Bottom w0.3: v2(37.8,47.74) 34.81,47.74 34.32,47.25 v2(32.45,47.25)
  vias: v2(3.27,58.7) v2(3.27,57.8) v2(3.27,56.8) v2(4.33,58.7) v2(4.33,57.8) v2(5.37,58.7) v2(5.37,57.77) v2(5.36,56.8) v4(30.2,92.44) v4(30.2,91) v4(31.6,92.44) v4(31.6,91) v4(33,92.44) v4(34.4,92.44) v4(34.4,91) v4(35.8,92.44) v4(35.8,91)
VCC_EINK: length 113.5
  Top w0.2: J5.7 9.5,80.37 8.34,79.21 8.34,78.87 ; 8.07,79.74 8.34,79.74 9.1,80.5 J5.5
  Top w0.25: 13.76,52.14 14.11,52.5 U2.46 ; R46.1 15.7,77.03 v2(16.73,77.03) 26.93,77.03 27.44,77.54 R36.1 27.44,82.5 R37.1
  Top w0.3: 8.07,79.74 7.57,79.74 7.3,79.47 v2(7.3,79.09) C41.1 ; C40.1 8.34,78.87 ; 7.3,78.12 8.34,78.12
  Top w0.4: v2(13.3,49.66) 13.3,51.68 13.76,52.14 ; D10.2 D11.2 9.21,45.26 v2(8.02,45.26) ; v2(7.3,79.09) 6.21,79.09 5.72,78.6 5.72,75.2 6.17,74.75 7.45,74.75 7.92,74.28 TP16.1